# Altium PCB Control_Board_Model_C204.PcbDoc (part 4 of 6) (continued)
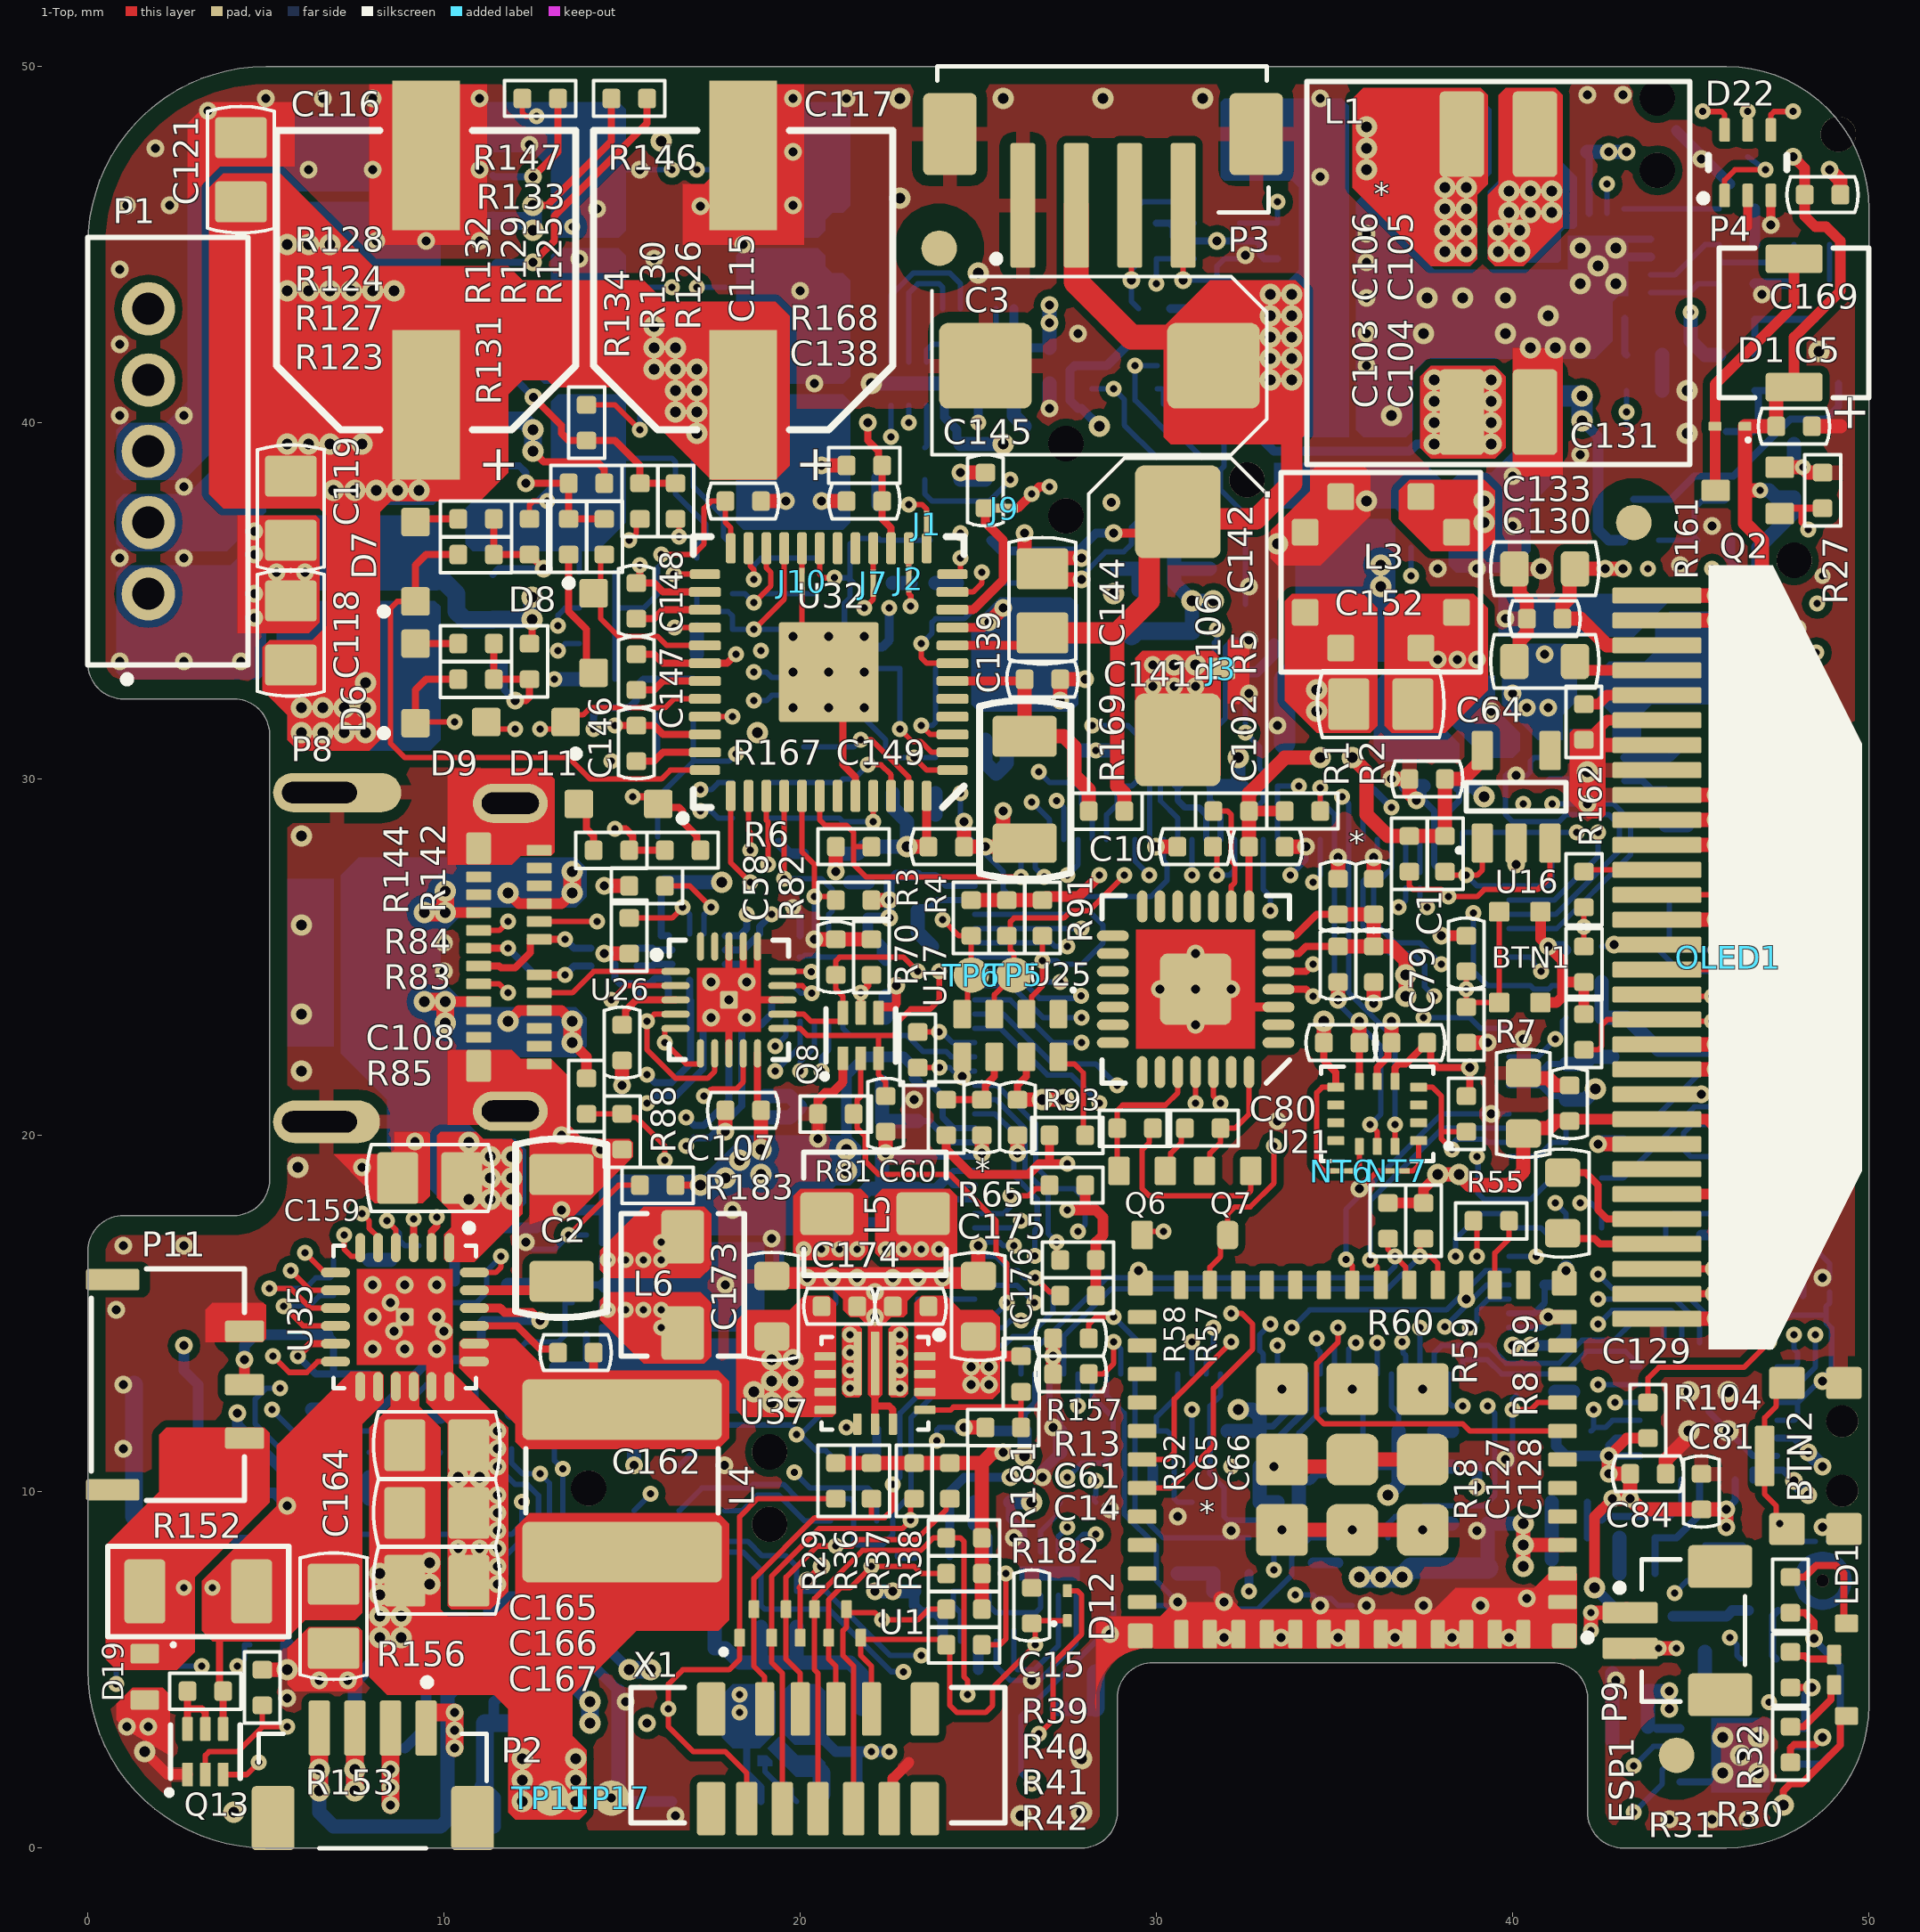
[diagram p0: 1-Top view]
## Nets (pads, with @x,y where several pads share a name; then routed paths per layer and width w, separated by ;. In a path a pad name is that pad's centre, name@x,y a point inside that pad or via, vN(x,y) a via of type N, cw(c..) or ccw(c..) an arc to the next point about the centre after c; other vN are vias at no path point) (continued)
  8-Bottom w0.5: C7.1@1.3,9.3 C6.1@1.3,11.2 C16.1@1.3,13 ; D20.2@8.05,14.4 8.15,14.5 v5(8.6,14.5) C163.1@9.35,14.5 v5(10,14.5) ; C48.2@11.1,1.7 11.15,1.75 v2(11.15,2.75) C49.2@11.15,3.5 v2(11.9,3.5) ; v2(20.4,2.3) 20.6,2.1 v2@20.6,1.5 ; P6.0@28.3,3.925 v2(28.3,4.9)
  other v1: 48.7,35.7
  other v2: 5.6,1 20.6,1.7 15.7,2.7 17.4,2.7 23.8,4.3 20.65,5.2 16.4,5.6 6.6,5.7 18.9,5.7 19.9,5.7 11.5,5.8 12.5,5.8 30.3,5.9 12,6.3 11.5,6.8 12.5,6.8 1,7.5 5,7.5 48.037,7.5 26.5,7.7 27.5,7.7 41.1,9.2 46.8,9.3 4.3,10.8 14.3,11.2 17.7,14.9 19.9,15.1 21.6,15.4 16.7,15.8 18.3,15.8 27.5,16.1 44.8,16.4 43.2,16.5 17.7,16.6 31.7,16.7 34.6,17.4 29,17.8 8.8,18.4 43.6,18.5 36,19.5 15.1,19.8 27.5,20 32.7,20.5 23.3,20.8 37.4,21 29.9,21.2 35.4,22.1 15.4,22.5 38.2,22.5 46.4,23.5 33.5,24.1 10.6,24.3 11.1,24.3 28.6,24.5 36,24.7 10.6,25.7 11.1,25.7 29.2,26 43.2,26 15.2,26.1 34.2,26.3 32.4,26.7 48.7,27.5 43.9,27.7 15.2,27.9 42.1,31 38.8,31.6 38.1,32.4 47.265,33.6 39.4,34.1 42.2,34.4 43.7,34.986 33.4,35.1 39.4,35.3 46.2,35.3 37.8,35.4 44.7,35.5 41.6,36.6 18.6,37.4 21,37.4 18.6,38 21,38 48.7,38.1 33.6,38.4 35.3,38.4 36.9,38.4 18.6,38.6 21,38.6 44.5,38.8 18.6,39.2 21,39.2 18.6,39.8 21,39.8 18.6,40.4 21,40.4 23.8,41.1 18.6,41.5 21,41.5 18.6,42.1 21,42.1 47.6,42.2 18.6,42.7 21,42.7 28.2,43 18.6,43.3 21,43.3 18.6,43.9 21,43.9 18.6,44.5 18.6,45.6 47.6,46 18.6,46.2 21,46.2 28.3,46.4 18.6,46.8 21,46.8 18.6,47.4 21,47.4 18.6,48 21,48 18.6,48.6 21,48.6 39.6,49.2
  other v3: 26.2,0.9 4.1,1 27.9,1 45.9,2.1 46.9,2.1 27.9,2.5 46.4,2.6 45.9,3.1 46.9,3.1 44.95,12.8 46.05,12.8 5.9,19.1 6,21.8 6,23.4 6,25.9 6,28.4 40.8,35.9 33.4,36.6 35.9,37.8 44.9,39.7 36.6,40.2 44.9,40.9 48.6,42 40.5,42.1 41.2,42.1 41.9,42.1 37.5,42.5 39.8,42.5 41,43 37.6,43.5 38.6,43.5 39.8,43.5 41.9,43.9 42.9,43.9 25,44.2 42.4,44.4 41.9,44.9 22.8,46.3 22.8,49.1 25.7,49.1 28.5,49.1 31.3,49.1
  other v4: 16.5,0.9 14.7,1.4 15.1,4.1 5.6,4.2 6.5,4.7 7.3,4.7 26.5,4.7 42.9,4.7 28.7,6 34.6,6.8 35.9,6.8 37.5,6.8 39.1,6.8 30.6,6.9 31.9,6.9 40.4,7 11.5,7.4 11.5,7.9 10.4,8.4 11,8.4 11.5,8.4 26,8.7 11.5,8.9 32.1,8.9 39,8.9 48.7,9 30.6,9.3 11.5,9.4 28.7,9.5 11.5,9.9 11.5,10.7 39.8,10.9 11.5,11.2 11.5,11.7 27.1,11.8 33.525,12.875 35.5,12.875 37.475,12.875 48.7,13.1 27.1,13.8 8,14 8.9,14 9.8,14 8,14.9 8.9,14.9 9.8,14.9 22.1,14.9 41,14.9 38.7,15.4 22.1,15.6 8,15.8 8.9,15.8 9.8,15.8 17.9,15.8 20.2,16 20.9,16 21.6,16 22.6,16 23.3,16 24,16 48.7,16 29.5,16.2 41.5,16.2 12.3,17 19.2,17.1 45.9,17.2 18.1,17.9 48.7,18.6 7.7,19.1 46.4,19.6 9.189,19.833 13.3,20 39.4,20.6 23.2,21 48.3,21.5 40.3,22.7 31.1,23.1 17.5,23.3 18.5,23.3 47.5,23.6 46.3,23.9 30.1,24.1 32.1,24.1 17.5,24.3 10,24.6 31.1,25.1 47.7,25.2 10,25.4 48.6,26.8 47,27.2 40.1,27.6 48.6,28.8 42.1,29.3 40.1,30.1 47.9,31.1 33.4,31.5 39.4,31.9 48.6,32.3 32.6,32.4 0.9,33.3 2.7,33.3 4.3,33.3 32.6,33.9 48,34.225 39.8,34.5 4.667,34.522 4.667,35.2 32.6,35.4 5.3,35.8 6.1,35.8 37.9,35.9 39,35.9 44.7,36 0.9,36.2 2.7,36.2 4.667,36.308 4.667,36.952 40,37.1 45.6,37.1 2.7,38.2 40,38.5 41.9,39.1 0.9,40.2 2.7,40.2 20.4,41.1 27.8,42.5 47,43.6 20,43.7 13.8,44.6 15.9,44.6 32.5,44.7 18.4,45 8.1,45.1 9.5,45.1 11,45.1 14.3,46 17.191,46.079 19.8,46.1 34.6,46.9 6.2,47.1 8,47.1 11,47.1 15.5,47.1 45.3,47.4 19.8,47.6 12.4,47.8 11,49.1 19.8,49.1 21.3,49.1 34.6,49.1
  other v5: 44.4,0.8 45.6,0.8 46.6,0.8 1.1,3.4 1.7,3.4 31.9,5.9 33.5,5.9 35.1,5.9 36.7,5.9 38.3,5.9 39.9,5.9 17.87,10.735 1,11.2 1,13 0.8,15.1 1,16.9 2.7,16.9 33.4,20.4 35.9,41.6 0.9,42.2 35.9,42.5 35.9,43.5 0.9,44.3 35.9,44.5 35.9,45.3 1.1,46.1 2.3,46.1 1.9,47.7 3.371,48.75 5,49.1 6.6,49.1 8,49.1 42.1,49.2 43.1,49.2
GPIO0: D3.3 ESP1.23 Q7.3 X5.6 | length 29.5
  1-Top w0.152: ESP1.23@31.5,15.8 31.5,16.3 31.8,16.6 31.8,17 Q7.3@32,17.2 32,17.795 32.2,17.995 32.634,17.995 33.3,18.662 v1(33.3,19.7)
  3-SIGNAL w0.152: v1(33.3,19.7) 34.6,19.7 35.668,20.768 40.968,20.768 44.795,24.595 44.795,25.964 46.3,27.469 46.869,27.469 47.7,28.3 v1(47.7,28.8)
  8-Bottom w0.152: X5.6@47.265,32.33 47.795,31.8 47.795,30.054 47.539,29.797 47.539,29.261 47.7,29.1 v1(47.7,28.8) 48.35,28.15 D3.3@48.82,28.15
GPIO1: D3.6 ESP1.31 U25.25 X5.3 | length 43.2
  1-Top w0.152: ESP1.31@29.6,10.1 30.4,10.1 31.6,11.3 31.6,12.9 32.7,14 32.7,14.7 32.4,15 v1(32.1,15) ; v1(31.1,20.9) U25.25@31.1,21.776
  3-SIGNAL w0.152: v1(31.1,20.9) 31.581,21.381 37.574,21.381 38.588,22.395 40.305,22.395 40.5,22.2 41.4,22.2 44.186,24.986 44.186,27.158 v1(46.477,29.45)
  6-SIGNAL w0.152: v1(31.1,20.9) 31.1,16.5 32.1,15.5 v1(32.1,15) ; v1(46.477,29.45) 45.455,29.45 45.105,29.8 45.105,31.705 45.516,32.116 47.884,32.116 48.525,32.756 v1(48.525,33.55)
  8-Bottom w0.152: v1(46.477,29.45) D3.6@46.98,29.45
GPIO2: ESP1.22
GPIO3: D3.1 ESP1.30 U25.26 X5.5 | length 37.8
  1-Top w0.152: ESP1.30@29.6,10.9 30.3,10.9 30.5,11.1 30.5,12.6 v1(32.1,14.2) ; U25.26@31.6,21.776 31.6,21.1 v1(31.8,20.9)
  3-SIGNAL w0.152: v1(31.8,20.9) 34.8,20.9 34.976,21.076 40.776,21.076 44.491,24.791 44.491,26.091 47.2,28.8 47.2,29.254 47.446,29.5 v1(48,29.5)
  6-SIGNAL w0.152: v1(31.8,20.9) 31.5,20.6 31.5,16.6 32.554,15.546 32.554,14.654 v1(32.1,14.2)
  8-Bottom w0.152: X5.5@48.535,32.33 48.1,31.895 48.1,29.9 48,29.8 v1(48,29.5) 48.77,29.5 D3.1@48.82,29.45
GPIO4: ESP1.24
GPIO5: ESP1.29
GPIO7: ESP1.27
GPIO8: ESP1.28
GPIO12: ESP1.19
GPIO13: ESP1.20
GPIO14: ESP1.18 U24.113 | length 7.9
  1-Top w0.152: v1(35.321,16.521) 35.5,16.341 ESP1.18@35.5,15.8
  8-Bottom w0.152: v1(35.321,16.521) 35.321,17.921 38,20.6 U24.113@39.9,20.6
GPIO15: ESP1.21
GPIO19: ESP1.33
GPIO20: ESP1.26
GPIO21: ESP1.35
GPIO22: ESP1.34
GPIO25: ESP1.15 R59.2 U24.29 | length 13.7
  1-Top w0.152: R59.2@37.5,17.1 37.4,17 v1(37.4,16.6) 37.7,16.6 37.9,16.4 ESP1.15@37.9,15.8
  8-Bottom w0.152: U24.29@27.4,13.3 27.4,14.369 28.726,15.695 36.495,15.695 v1(37.4,16.6)
GPIO26: ESP1.16 R60.2 U24.32 | length 13.9
  1-Top w0.152: R60.2@36.5,17.1 36.5,16.8 v1(36.7,16.6) 37,16.3 37,15.9 ESP1.16@37.1,15.8
  8-Bottom w0.152: U24.32@26.2,13.3 26.2,13.942 26.3,14.042 26.642,14.042 28.6,16 36.369,16 36.7,16.331 v1(36.7,16.6)
GPIO27: ESP1.17 U24.114 | length 7.2
  1-Top w0.152: v1(36,16.5) 36.2,16.3 36.2,15.9 ESP1.17@36.3,15.8
  8-Bottom w0.152: v1(36,16.5) 36,18.169 38.031,20.2 U24.114@39.9,20.2
GPIO32: ESP1.12
GPIO33: ESP1.13 R55.2 | length 2
  1-Top w0.152: ESP1.13@39.5,15.8 39.5,16.7 39.9,17.1 R55.2@39.9,17.6
GPIO34: ESP1.9
GPIO35: ESP1.10
GPIO36: ESP1.4
GPIO37: ESP1.5
GPIO38: ESP1.6
GPIO39: ESP1.7 U24.10 | length 11.2
  1-Top w0.152: v1(35.1,14.6) 35.1,14.2 34.5,13.6 34.5,12.1 34.7,11.9 38.6,11.9 38.8,11.7 ESP1.7@41.4,11.7
  8-Bottom w0.152: U24.10@35,13.3 35,14.1 35.1,14.2 v1(35.1,14.6)
HSU: D6.1 R123.1 U32.33 | length 14.4
  1-Top w0.152: D6.1@9.2,31.57 9.23,31.6 v1(10.3,31.6) ; U32.33@17.325,31.75 v1(18.1,31.75)
  1-Top w0.2: D6.1@9.2,31.57 9.2,32.5 9.5,32.8 R123.1@10.4,32.8
  3-SIGNAL w0.152: v1(10.3,31.6) 11.3,30.6 13.5,30.6 15.1,29 15.7,29 18.1,31.4 v1(18.1,31.75)
HSV: D8.1 R125.1 U32.29 | length 5.1
  1-Top w0.152: R125.1@14.5,36.3 14.4,36.2 14.4,34.5 14.9,34 16,34 16.25,33.75 U32.29@17.325,33.75
HSW: D10.1 R141.1 U32.25 | length 12.5
  1-Top w0.152: v1(16.452,35.75) U32.25@17.325,35.75
  6-SIGNAL w0.152: v1(16.452,35.75) 15.9,35.198 15.9,32.6 17.8,30.7 v1(18.2,30.7)
  8-Bottom w0.152: D10.1@16,28.385 16,29.5 17,30.5 ; R141.1@17,31.8 17,30.5 ; v1(18.2,30.7) 18,30.5 17,30.5
KEY_IO_8: BTN2.1 C15.1 D12.1 R42.1 U1.5 X1.8 | length 38.5
  1-Top w0.152: X1.8@22,3.9 22,5.1 21.7,5.4 U1.5@21.7,5.9 21.746,5.854 23.946,5.854 R42.1@24.1,5.7 24.2,5.6 24.2,4 24.4,3.8 25.2,3.8 25.4,4 25.4,4.5 v1(26.6,5.7) 26.6,6.2 C15.1@26.5,6.3 26.58,6.38 D12.1@27.5,6.38 ; BTN2.1@47.7,8.95 47.4,9.25 47.4,9.6 47.075,9.925 BTN2.1@47.075,11 47.075,12.075 47.4,12.4 47.4,12.75 BTN2.1@47.7,13.05
  5-GND w0.152: v1(26.6,5.7) 27.5,6.6 40,6.6 41.8,8.4 46.8,8.4 v1(47.5,9.1)
LCD_BL_A: C131.1 C133.1 C153.2 C154.1 D17.1 D18.1 OLED1.28 | length 18.2
  1-Top w0.4: C131.1@41.75,35.8 41.6,35.65 41.6,35.1 41.4,34.9 C133.1@41.4,34.5 41.9,34.5 42.65,33.75 OLED1.28@44.05,33.75 ; C131.1@41.75,35.9 v5(42.6,35.9) v5(43.1,35.9)
  4-PWR w0.5: v3(36.3,36) v3(36.3,35.4) 37.2,34.5 41.2,34.5 v5(42.6,35.9) v5(43.1,35.9)
  8-Bottom w0.6: D18.1@33.6,31 33.6,32.8 D17.1@35.2,34.4
LCD_BL_K: D18.2 R172.2 U33.3 | length 0.1
  8-Bottom w0.4: D18.2@36.8,31 D18.2@36.9,30.9
LED_B: R32.2 U29.3 | length 6.4
  1-Top w0.2: R32.2@47.7,6.6 R32.2@47.8,6.6 48.2,6.6 48.461,6.339 v5(48.461,5.882)
  8-Bottom w0.2: U29.3@47.7,2.35 U29.3@47.9,2.35 48.66,2.35 49.202,2.892 49.202,5.097 48.461,5.839 v5(48.461,5.882)
LED_G: R31.2 U29.2 | length 2.5
  1-Top w0.2: R31.2@47.9,2.5 R31.2@47.8,2.4 47.8,2.8 47.898,2.898 48.498,2.898 v5(48.7,3.1)
  8-Bottom w0.2: U29.2@47.9,2.85 48.45,2.85 v5(48.7,3.1)
LED_R: R30.2 U29.1 | length 2.4
  1-Top w0.2: R30.2@47.7,4.5 R30.2@47.8,4.5 v5(48.4,4.5)
  8-Bottom w0.2: U29.1@47.7,3.35 U29.1@47.9,3.35 48.2,3.35 48.2,4.3 v5(48.4,4.5)
LSU: D7.1 R124.1 U32.36 | length 16.3
  1-Top w0.152: D7.1@9.2,34.985 8.685,34.985 8.5,34.8 8.5,31 8.9,30.6 13.5,30.6 14.1,30 16.1,30 16.35,30.25 U32.36@17.325,30.25
  1-Top w0.2: D7.1@9.2,34.985 9.2,36 9.5,36.3 R124.1@10.4,36.3
LSV: D9.1 R126.1 U32.32 | length 13.2
  1-Top w0.152: v1(12.7,31.4) 13.215,31.4 D9.1@13.415,31.6 13.615,31.8 13.9,31.8 14.1,32 16.2,32 16.45,32.25 U32.32@17.325,32.25 ; R126.1@16.5,37.3 16.6,37.2 v1(16.6,36.8)
  3-SIGNAL w0.152: v1(12.7,31.4) 13.3,31.4 15.2,33.3 15.2,33.8 17,35.6 17,36.4 v1(16.6,36.8)
LSW: D11.1 R142.1 U32.28 | length 8.9
  1-Top w0.152: v1(16.473,34.25) U32.28@17.325,34.25
  1-Top w0.203: v1(15.3,29.5) 15.815,29.5 D11.1@16.015,29.3 ; D11.1@16.015,29.2 16.6,29.2 16.7,29.1 16.7,28.8 17.1,28.4 R142.1@17.1,28
  3-SIGNAL w0.152: v1(15.3,29.5) 16.473,30.673 v1(16.473,34.25)
MICCLK: R101.2 U22.10 | length 10.2
  6-SIGNAL w0.152: v1(42.875,12.5) 43.3,12.5 43.795,12.005 43.795,7.205 44.4,6.6 45.4,6.6 v1(46.1,5.9)
  8-Bottom w0.152: v1(42.875,12.5) U22.10@43.575,12.5 ; v1(46.1,5.9) 46.3,5.7 46.3,5.4 R101.2@46.4,5.3
MICDO: R163.1 U22.11 | length 9.4
  6-SIGNAL w0.152: v1(42.4,13) 43.3,13 44.1,12.2 44.1,7.6 v1(44.548,7.152)
  8-Bottom w0.152: v1(42.4,13) U22.11@43.575,13 ; v1(44.548,7.152) 44.895,7.5 R163.1@45.4,7.5
NetC2_2: C2.2 U35.23 | length 2.6
  1-Top w0.28: U35.23@10.85,15.65 13.05,15.65 C2.2@13.3,15.9
NetC6_2: C6.2 C7.2 C16.2 D2.1 R92.2 R93.1 | length 44.8
  1-Top w0.25: R92.2@24.1,20 24.1,19.6 24.8,18.9 26.4,18.9 26.7,19.2 27,19.2 ; R93.1@27,20 27,19.2 ; v1(27.5,19.2) 27,19.2
  5-GND w0.3: v5(2.7,14.1) 3.2,14.1 4.4,15.3 4.4,15.8 7,18.4 9.3,18.4 9.9,19 9.9,21 10.7,21.8 14,21.8 14.5,22.3 14.5,22.8 15.427,23.727 16.573,23.727 17.6,22.7 17.6,21.7 18.5,20.8 23.9,20.8 25,19.7 26.5,19.7 27,19.2 v1(27.5,19.2)
  8-Bottom w0.3: v5(2.7,14.1) 2.7,13.4 C16.2@3.1,13 C6.2@3.1,11.2 C7.2@3.1,9.3 3.6,8.8 4,8.8 4.16,8.64 D2.1@4.6,8.64
NetC47_2: C47.2 R73.1 | length 1
  8-Bottom w0.152: C47.2@7.9,11.1 R73.1@8.9,11.1
NetC65_2: C65.2 R92.1 U17.6 | length 2.3
  1-Top w0.2: R92.1@24.1,21 C65.2@25.1,21 25.2,21.1 25.2,21.4 25.45,21.65 U17.6@25.45,22.2
NetC67_2: C67.2 U18.4 | length 2.7
  8-Bottom w0.152: U18.4@43.118,46 C67.2@45.8,46
NetC68_2: C68.2 R95.1 | length 1
  8-Bottom w0.152: C68.2@48.9,44 R95.1@48.9,45
NetC71_2: C71.2 R95.2 U18.7 | length 5
  8-Bottom w0.152: U18.7@43.875,44.15 44.55,44.15 45.4,45 C71.2@45.8,45 45.8,44.6 45.904,44.496 47.096,44.496 47.5,44.9 47.8,44.9 R95.2@47.9,45
NetC72_2: C72.2 FB3.2 U19.5 | length 3
  8-Bottom w0.152: FB3.2@44.1,36.7 45.2,36.7 45.1,36.8 45.1,37.6 45.3,37.8 45.95,37.8 U19.5@46,37.85
NetC73_1: C73.1 L1.1 U18.1 U18.15 U18.16
  other v3: 39.6,44.8 40.2,44.8 39.6,45.4 40.2,45.4 39.9,45.9 40.5,45.9 41.1,45.9 39.9,46.5 40.5,46.5 41.1,46.5
NetC73_2: C73.2 D5.2 L1.2
  other v3: 38.1,44.8 38.7,44.8 38.1,45.4 38.7,45.4 38.1,46 38.7,46 38.1,46.6 38.7,46.6 35.9,47.1 35.9,47.7 35.9,48.3
NetC82_2: C82.2 R102.1 U22.5 | length 4.5
  8-Bottom w0.2: C82.2@42.1,8.7 42.1,9.2 ; R102.1@42.1,9.7 42.1,9.2 ; U22.5@44.75,10.325 44.75,9.65 44.398,9.298 42.598,9.298 42.5,9.2 42.1,9.2
NetC83_2: C83.2 C85.2 U22.4 | length 3.5
  8-Bottom w0.2: C85.2@44,7.7 C83.2@44,8.7 44.6,8.7 45.25,9.35 U22.4@45.25,10.325
NetC97_2: C97.2 C98.2 C99.2 C100.2 FB4.1 U24.43 U24.44 U24.45 | length 9.2
  8-Bottom w0.18: C99.2@23.3,19.4 U24.45@24.9,19.4 ; U24.43@24.9,18.6 24.3,18.6 24.1,18.8 24.3,19 U24.44@24.9,19
  8-Bottom w0.3: C97.2@23.3,18.5 23.8,18.5 24.1,18.8
  8-Bottom w0.4: FB4.1@21,17.5 21,18 21.2,18.2 21.6,18.2 21.9,18.5 C98.2@22.3,18.5 ; C97.2@23.3,18.5 C98.2@22.3,18.5 ; C99.2@23.3,19.4 C100.2@22.3,19.4 C98.2@22.3,18.5
NetC108_2: C108.2 U26.3 | length 2
  1-Top w0.2: C108.2@15,23.1 15.1,23.2 15.1,23.5 15.4,23.8 U26.3@16.5,23.8
NetC129_1: C129.1 OLED1.4 | length 2.8
  1-Top w0.2: C129.1@41.4,17.25 41.55,17.1 42.3,17.1 42.45,16.95 OLED1.4@44.05,16.95
NetC129_2: C129.2 OLED1.5 | length 3.6
  1-Top w0.2: C129.2@41.4,18.95 42.05,18.95 42.4,18.6 42.4,17.9 42.65,17.65 OLED1.5@44.05,17.65
NetC130_2: C130.2 OLED1.27 | length 2.5
  1-Top w0.3: C130.2@41.6,33.05 OLED1.27@44.05,33.05
NetC132_1: C132.1 OLED1.2 | length 2.4
  1-Top w0.2: OLED1.2@44.05,15.55 v5(45.65,15.55)
  8-Bottom w0.2: v5(45.65,15.55) 46.4,15.55 C132.1@46.45,15.6
NetC132_2: C132.2 OLED1.3 | length 5.1
  1-Top w0.2: OLED1.3@44.05,16.25 v5(45.65,16.25)
  8-Bottom w0.2: v5(45.65,16.25) 45.9,16.5 48,16.5 48.15,16.35 C132.2@48.15,15.5
NetC134_2: C134.2 FB5.2 U30.5 | length 2.2
  8-Bottom w0.3: FB5.2@44.5,6.5 C134.2@45.4,6.5 46,6.5 46.163,6.663 U30.5@46.626,6.663
NetC143_2: C143.2 D16.2 R170.1 R171.2 U32.19 | length 6.5
  1-Top w0.152: U32.19@20.55,36.475 20.55,35.75 20.652,35.648 v1(20.96,35.648)
  8-Bottom w0.152: v1(20.96,35.648) 21.352,35.648 C143.2@21.4,35.6 ; D16.2@21.24,34.3 21.24,34.94 21.4,35.1 C143.2@21.4,35.6 ; C143.2@21.5,35.5 C143.2@21.4,35.6 ; R170.1@23.65,36.7 22.25,36.7 R171.2@22.2,36.75 21.55,36.75 21.4,36.6 C143.2@21.4,35.6
NetC145_1: C145.1 J9.1 U32.10 | length 4.3
  1-Top w0.25: U32.10@24.275,34.75 24.85,34.75 25.7,35.6 25.7,36.7 25.2,37.2 C145.1@25.2,37.6 J9.1@25.544,37.6
NetC146_1: C146.1 U32.35 | length 2
  1-Top w0.2: C146.1@15.4,30.5 15.9,30.5 16.15,30.75 U32.35@17.325,30.75
NetC147_1: C147.1 U32.31 | length 2
  1-Top w0.2: C147.1@15.4,32.5 15.9,32.5 16.15,32.75 U32.31@17.325,32.75
NetC148_1: C148.1 U32.27 | length 2
  1-Top w0.2: C148.1@15.4,34.5 15.9,34.5 16.15,34.75 U32.27@17.325,34.75
NetC150_2: C150.2 C151.1 FB7.2 L3.4 U33.5
  other v3: 39.2,37.2 39.2,37.8
NetC152_1: C152.1 L3.3 U33.1 | length 2.2
  1-Top w0.4: v5@37.752,33.3 37.9,33.3 v5(37.9,33.35)
  8-Bottom w0.4: v5(37.9,33.35) v5(38.45,33.35) ; U33.1@38.45,34.3 v5(38.45,33.35) ; v5(39,33.35) v5(38.45,33.35)
NetC152_2: C152.2 D17.2 L3.2
  other v3: 34.5,31.9 34.5,32.5
NetC156_1: C156.1 U34.3 | length 1.3
  8-Bottom w0.2: U34.3@43.15,29.95 43.65,29.95 43.9,29.7 C156.1@44.3,29.7
NetC162_1: C162.1 U35.21 | length 2.7
  1-Top w0.2: U35.21@10.85,14.65 12.05,14.65 12.7,14 13.1,14 C162.1@13.2,13.9
NetC162_2: C162.2 L4.1 U35.19 U35.20 | length 1.9
  1-Top w0.25: C162.2@14.2,13.9 14.2,13.1 L4.1@15,12.3
NetD1_2: D1.2 P4.2 Q2.3 | length 7.4
  1-Top w0.3: Q2.3@45.7,38.1 45.68,38.12 D1.2@45.68,39.9 45.68,41.08 47.9,43.3 P4.2@47.9,44.6
NetD6_2: D6.2 R127.1 | length 1.2
  1-Top w0.2: D6.2@9.2,33.8 R127.1@10.4,33.8
NetD7_2: D7.2 R128.1 | length 1.2
  1-Top w0.2: D7.2@9.2,37.215 9.285,37.3 R128.1@10.4,37.3
NetD8_2: D8.2 R129.1 | length 3.5
  1-Top w0.2: R129.1@13.5,36.3 13.5,34.7 14,34.2 D8.2@14,32.985
NetD9_2: D9.2 R130.1 | length 8.7
  1-Top w0.152: D9.2@11.185,31.6 11.385,31.4 v1(12,31.4) ; v1(15.2,36.7) 15.4,36.9 15.4,37.2 R130.1@15.5,37.3
  3-SIGNAL w0.152: v1(12,31.4) 12.5,31.9 13.2,31.9 14.8,33.5 14.8,36.3 v1(15.2,36.7)
NetD10_2: D10.2 R143.1 | length 1.2
  8-Bottom w0.152: D10.2@16,30.615 R143.1@16,31.8
NetD11_2: D11.2 R144.1 | length 1.5
  1-Top w0.2: D11.2@13.785,29.3 14,29.085 14,28.6 14.2,28.4 14.2,28.1 R144.1@14.3,28
NetD15_1: D15.1 L2.2 U32.9 | length 1.7
  1-Top w0.25: U32.9@24.275,34.25 25.15,34.25 v5(25.3,34.4)
  1-Top w0.4: v5(25.3,34.4) 25.691,34.791 v5(25.691,34.809)
  8-Bottom w0.25: v5@25.691,34.791 v5(25.691,34.809)
NetD19_1: D19.1 P11.1 R152.2 U8.6 | length 1.2
  8-Bottom w0.2: U8.6@1.9,6.7 1.9,6.9 2.3,7.3 v1(2.7,7.3)
NetJ10_2: J10.2 U32.20 | length 0.7
  1-Top w0.152: J10.2@20.05,35.801 U32.20@20.05,36.475
NetL5_1: L5.1 U37.3
  other v1: 21.4,12.9 21.4,13.4 21.4,13.9 21.4,14.4 20.1,16.8 20.6,16.8 21.1,16.8 21.6,16.8
NetL5_2: L5.2 U37.1
  other v1: 22.8,12.9 22.8,13.4 22.8,13.9 22.8,14.4 22.4,16.8 22.9,16.8 23.4,16.8 23.9,16.8
NetL6_1: L6.1 U38.3
  other v1: 16.1,14.6 14.6,15.1 15.1,15.1 15.6,15.1 16.1,15.1
NetL6_2: L6.2 U38.1
  other v1: 14.6,16.5 15.1,16.5 15.6,16.5 16.1,16.5 16.1,17
NetLD1_2: LD1.2 R31.1 | length 1.9
  1-Top w0.2: R31.1@47.8,3.4 48.172,3.4 48.936,4.164 48.936,4.486 LD1.2@49.025,4.575
NetLD1_3: LD1.3 R30.1 | length 1.5
  1-Top w0.2: R30.1@47.8,5.5 47.905,5.395 48.195,5.395 48.292,5.298 48.998,5.298 LD1.3@49.125,5.425
NetLD1_4: LD1.4 R32.1 | length 3.3
  1-Top w0.2: R32.1@47.7,7.6 48.196,7.6 48.523,7.927 49.073,7.927 49.3,7.7 49.3,6.386 LD1.4@49.386,6.3
NetNT3_2: NT3.2 U20.12
NetNT4_2: NT4.2 U30.2 | length 1.1
  8-Bottom w0.152: U30.2@47.4,8.6 NT4.2@48.5,8.6
NetNT5_2: NT5.2 U22.17 U22.21 U22.22 | length 8.3
  8-Bottom w0.152: U22.17@46.25,14.175 46.25,14.626 46.578,14.954 48.793,14.954 ; U22.22@47.425,12 47.9,12 48,12.1 48,12.5 ; U22.21@47.425,12.5 48,12.5 ; NT5.2@48.9,15.6 48.9,15.3 48.793,15.193 48.793,14.954 ; 48,12.5 48.954,13.454 48.954,14.588 48.793,14.749 48.793,14.954
NetNT6_1: NT6.1 U21.12 | length 0.9
  1-Top w0.152: NT6.1@35.432,19 35.6,19 35.7,19.1 U21.12@35.7,19.688
NetNT7_1: NT7.1 U21.1 | length 1.2
  1-Top w0.152: NT7.1@36.9,19 37.2,19 37.362,19.162 U21.1@37.362,19.85
NetOLED1_19: OLED1.19 R162.2 | length 2.1
  1-Top w0.152: R162.2@42,27.4 42.05,27.45 OLED1.19@44.05,27.45
NetOLED1_26: OLED1.26 R161.1 | length 2.2
  1-Top w0.3: R161.1@42,32.1 42.4,32.1 42.65,32.35 OLED1.26@44.05,32.35
NetP3_3: P3.3 Q1.3 R25.2 | length 7.4
  1-Top w0.152: P3.3@29.25,46.1 29.4,45.95 29.3,45.85 v5(29.3,44)
  8-Bottom w0.152: R25.2@29.5,43.2 29.3,43.4 v5(29.3,44) 29.3,44.3 29.4,44.4 29.4,46 29.6,46.2 30.6,46.2 30.8,46 30.8,45.6 Q1.3@31.06,45.6
NetP3_4: P3.4 Q1.6 R24.2 | length 5.3
  1-Top w0.152: v5(30.75,44) P3.4@30.75,46.1
  8-Bottom w0.152: v5@30.95,44 31.7,44 ; R24.2@32.3,43.2 32.3,43.8 32.1,44 31.7,44 ; Q1.6@32.34,44.6 31.9,44.6 31.7,44.4 31.7,44
NetP9_1: P9.1 U22.1 | length 15.1
  1-Top w0.4: v1(42.2,6.1) v1(42.2,6.6) P9.1@43.3,6.6 P9.1@43.2,6.7
  3-SIGNAL w0.3: v1(42.2,6.6) v1(42.2,6.1) 43.3,5 44.85,5 45.4,5.55 45.4,6.2 46.6,7.4 46.6,9.9 47,10.3 v5(47.9,10.3) v5(48.3,9.9)
  8-Bottom w0.2: U22.1@46.75,10.325 46.75,10.6 47.6,10.6 v5(47.9,10.3)
  8-Bottom w0.4: v5(47.9,10.3) v5(48.3,9.9)
NetP9_2: P9.2 U22.23 | length 12.3
  1-Top w0.4: P9.2@43.4,5.5 43.5,5.6 v1@44.5,5.6 ; v1(44.1,5.6) v1(44.6,5.6)
  3-SIGNAL w0.3: v1(44.1,5.6) v1(44.6,5.6) 44.8,5.8 44.8,6.6 45.2,7 45.2,9.7 46.6,11.1 v5(48.3,11.1) v5(48.7,10.7)
  8-Bottom w0.2: U22.23@47.425,11.5 47.9,11.5 v5(48.3,11.1)
  8-Bottom w0.4: v5(48.3,11.1) v5(48.7,10.7)
NetQ6_1: Q6.1 R57.2 | length 1.4
  1-Top w0.152: Q6.1@30.25,19 30.4,19.15 30.4,19.5 30.7,19.8 30.7,20.1 R57.2@30.8,20.2
NetQ7_1: Q7.1 R58.2 | length 5.6
  1-Top w0.152: R58.2@29.9,20.2 29.8,20.1 29.8,19.8 29.6,19.6 29.6,18.5 29.8,18.3 32.5,18.3 32.65,18.45 Q7.1@32.65,19
NetQ9_1: Q9.1 U19.1 | length 7.5
  8-Bottom w0.203: U19.1@43.4,37.85 44.45,37.85 45.1,38.5 46.2,38.5 47.8,40.1 48.8,40.1 49.15,40.45 Q9.1@49.15,41.1
NetQ9_2: Q9.2 R98.2 U19.4 | length 3.1
  8-Bottom w0.203: U19.4@46,39.75 46.75,39.75 46.9,39.9 46.9,40.8 R98.2@46.8,40.9 47.65,40.9 Q9.2@47.85,41.1
NetQ9_3: Q9.3 R99.1 R100.1 | length 2.7
  8-Bottom w0.203: R100.1@46.8,41.9 R99.1@46.8,42.9 Q9.3@48.5,42.9
NetQ10_2: Q10.2 R124.2 R128.2 R132.1 | length 4.1
  1-Top w0.2: R128.2@11.4,37.3 R124.2@11.4,36.3 R132.1@12.4,36.3 v5(12.8,35.9)
  8-Bottom w0.2: Q10.2@11.367,35.735 11.532,35.9 v5(12.8,35.9)
NetQ10_4: Q10.4 R123.2 R127.2 R131.1 | length 4.4
  1-Top w0.2: R127.2@11.4,33.8 R123.2@11.4,32.8 R131.1@12.4,32.8 12.4,32.3 12.3,32.2 v5(12,32.2)
  8-Bottom w0.2: Q10.4@11.367,33.195 11.7,33.195 11.7,32.5 v5(12,32.2)
NetQ11_2: Q11.2 R126.2 R130.2 R134.1 | length 6.8
  1-Top w0.2: v5(12.511,40.711) 13.3,39.923 13.3,39.7 13.5,39.5 R134.1@14,39.5 14.8,39.5 15.5,38.8 R130.2@15.5,38.3 R126.2@16.5,38.3
  8-Bottom w0.2: Q11.2@11.367,41.335 11.502,41.2 12.023,41.2 v5(12.511,40.711)
NetQ11_4: Q11.4 R125.2 R129.2 R133.1 | length 4.6
  1-Top w0.2: v5(12.3,38.3) 13.3,38.3 13.4,38.4 R133.1@13.5,38.3 R129.2@13.5,37.3 R125.2@14.5,37.3
  8-Bottom w0.2: Q11.4@11.367,38.795 12.105,38.795 12.3,38.6 v5(12.3,38.3)
NetQ12_2: Q12.2 R142.2 R144.2 R147.1 | length 29
  1-Top w0.2: v5(12.5,46.9) 13.2,47.6 R147.1@13.2,49.1 ; v1(14.8,28.6) 15.1,28.6 15.3,28.4 15.3,28 R142.2@16.2,28
  3-SIGNAL w0.2: v5(12.5,46.9) 11.6,46.9 10.4,45.7 10.4,36.9 9.7,36.2 9.7,31.3 10.8,30.2 13.2,30.2 v1(14.8,28.6)
  8-Bottom w0.2: Q12.2@11.367,46.935 11.402,46.9 v5(12.5,46.9)
NetQ12_4: Q12.4 R141.2 R143.2 R146.1 | length 26.4
  1-Top w0.203: v5(12.5,44.5) 13.1,45.1 13.1,45.799 15.7,48.399 R146.1@15.7,49.1
  6-SIGNAL w0.203: v5(12.5,44.5) 10.9,42.9 10.9,34.2 13,32.1 13.498,32.1 v1(14.198,31.4)
  8-Bottom w0.203: Q12.4@11.367,44.395 11.472,44.5 v5(12.5,44.5) ; v1(14.198,31.4) 14.2,31.402 14.2,31.8 14.4,32 15.2,32 15.4,32.2 15.4,32.6 15.6,32.8 R143.2@16,32.8 R141.2@17,32.8
NetQ13_3: Q13.3 R87.1 | length 32.1
  1-Top w0.152: Q13.3@3.8,2.06 4.46,2.06 v1(4.8,2.4)
  3-SIGNAL w0.152: v1(4.8,2.4) 5.2,2.8 10.5,2.8 12.5,4.8 14.4,4.8 15,4.2 15,2.8 16,1.8 v1(26.5,1.8)
  8-Bottom w0.152: v1(26.5,1.8) 26.2,2.1 26.2,3.7 28.8,6.3 R87.1@28.8,6.8
NetQ13_5: Q13.5 Q13.6 R153.1 | length 2.1
  1-Top w0.2: Q13.6@2.8,3.34 2.8,3.9 ; R153.1@2.8,4.4 2.8,3.9 ; Q13.5@3.3,3.34 3.3,3.8 3.2,3.9 2.8,3.9
NetR23_2: R23.2 R24.1 R25.1 R26.1 | length 3.1
  8-Bottom w0.25: R25.1@30.4,43.2 30.85,43.2 ; R24.1@31.3,43.2 30.85,43.2 ; R26.1@32,42.1 R23.2@31,42.1 30.85,42.25 30.85,43.2
NetR63_2: R63.2 U6.6 | length 1.2
  8-Bottom w0.152: R63.2@23.5,39.3 23.55,39.35 U6.6@23.55,40.49
NetR64_2: R64.2 U7.6 | length 1.6
  8-Bottom w0.152: U7.6@26.75,8.31 26.75,8.891 27.2,9.341 27.2,9.6 R64.2@27.3,9.7
NetR73_2: R73.2 R74.2 U9.12 | length 4.9
  8-Bottom w0.152: R73.2@9.9,11.1 9.8,11 9.8,10.7 9.6,10.5 9.6,9 9.8,8.8 R74.2@10.2,8.8 10.2,8.3 10.4,8.1 10.4,7.1 10.45,7.05 U9.12@10.615,7.05
NetR79_2: R79.2 U9.9 | length 3.7
  8-Bottom w0.3: R79.2@8.9,2.8 9.5,3.4 9.5,4.8 10.25,5.55 U9.9@10.615,5.55
NetR80_2: R80.2 U9.4 | length 6.6
  8-Bottom w0.3: U9.4@13.385,5.55 13.75,5.55 14.9,4.4 ; R80.2@14.9,1.3 R80.2@16.4,1.3
  8-Bottom w0.4: R80.2@14.9,1.3 14.9,4.4
NetR94_2: R94.2 U18.9 | length 1
  8-Bottom w0.2: U18.9@43.15,42.925 43.15,41.95 R94.2@43.2,41.9
NetR97_1: R97.1 R99.2 U18.8 | length 3
  8-Bottom w0.152: U18.8@43.875,43.65 44.95,43.65 45.2,43.9 R97.1@45.8,43.9 R99.2@45.8,42.9
NetR101_1: R101.1 U30.4 | length 1.5
  8-Bottom w0.2: R101.1@47.4,5.3 47.3,5.4 47.3,6.025 47.3,6.515 U30.4@47.448,6.663
NetR159_1: R159.1 U38.8 | length 3.1
  8-Bottom w0.152: R159.1@12.1,13.5 12.1,14 12.3,14.2 13.2,14.2 13.4,14.4 13.4,15.3 U38.8@13.595,15.3
NetR160_1: R160.1 U27.3 | length 1.6
  8-Bottom w0.152: 19.008,2.387 19.008,2.142 19.35,1.8 19.6,1.8 19.75,1.65 19.75,1.45 R160.1@19.9,1.3
NetR163_2: R163.2 U30.1 | length 1.3
  8-Bottom w0.152: R163.2@45.4,8.5 46.463,8.5 U30.1@46.626,8.337
NetR174_1: R174.1 U34.2 | length 1.7
  8-Bottom w0.25: U34.2@43.15,30.6 44.4,30.6 R174.1@44.7,30.9
NetR175_1: R175.1 U35.10 | length 3.2
  1-Top w0.152: v1(5.5,15.2) 6.05,14.65 U35.10@6.95,14.65
  8-Bottom w0.152: v1(5.5,15.2) 6.2,15.2 6.5,15.5 R175.1@6.9,15.5
NetR181_1: R181.1 R182.2 U37.11 | length 3.7
  1-Top w0.152: U37.11@23.5,12.295 24.224,12.295 24.3,12.371 26.171,12.371 26.2,12.4 ; R182.2@26.2,11.8 26.2,12.4 ; R181.1@26.2,12.8 26.2,12.4
NetR183_1: R183.1 R184.2 U38.11 | length 4.2
  1-Top w0.152: v1(13.5,17.2) 14.9,18.6 R183.1@15.5,18.6
  8-Bottom w0.152: R184.2@12.5,16.8 13.1,16.8 v1(13.5,17.2) U38.11@13.995,17.2
NetU20_2: U20.2
NetU20_3: U20.3
NetU21_2: U21.2
NetU21_3: U21.3
NetU21_9: U21.9
NetU21_10: U21.10
NetU21_11: U21.11
NetU26_19: U26.19
NetU26_20: U26.20
NetU29_4: U29.4
OCCOMP: C115.2 R113.2 R114.2 R115.2 R120.2 U32.24 | length 9.9
  1-Top w0.152: v1(16.1,36.3) 17,36.3 17.3,36.6 17.3,37.6 17.5,37.8 C115.2@17.9,37.8 17.9,37.2 18.05,37.05 U32.24@18.05,36.475
  8-Bottom w0.152: R120.2@14.8,32.8 R115.2@14.8,33.8 R114.2@14.8,34.8 ; R113.2@14.8,35.8 R114.2@14.8,34.8 ; v1(16.1,36.3) 16.1,36.039 15.999,35.938 15.999,35.199 15.6,34.8 R114.2@14.8,34.8
OP1N: C113.1 R109.2 R121.1 U32.22 | length 4.3
  1-Top w0.152: v1(18.7,34.95) 19.175,35.425 19.175,35.8 19.05,35.925 U32.22@19.05,36.475
  8-Bottom w0.152: R109.2@18.1,35.2 18.45,35.2 v1(18.7,34.95) 18.95,35.2 C113.1@19.4,35.2 R121.1@20.4,35.2
OP1O: C113.2 J1.2 R121.2 U32.23 | length 10
  1-Top w0.152: U32.23@18.55,36.475 18.6,36.425 18.6,35.975 18.7,35.875 v1(18.7,35.6) ; v1(23.05,37.7) 23.425,37.7 23.55,37.575 J1.2@23.55,37.331
  3-SIGNAL w0.152: v1(18.7,35.6) 18.7,37 19.4,37.7 v1(23.05,37.7)
  8-Bottom w0.152: v1(18.7,35.6) 18.7,36 18.9,36.2 C113.2@19.4,36.2 R121.2@20.4,36.2